# Altium PCB Iris.PcbDoc (part 13 of 13)
Units mm, origin at the board's own origin, x right, y up, seen from the top; angles counter-clockwise.
Board outline 100 x 72 mm, 6 copper layers (Top Layer, PowerPlane1, MidLayer1, MidLayer2, PowerPlane2, Bottom Layer), stack 1.561 mm thick; 396 components, 379 nets, 1616 pads, 658 vias.
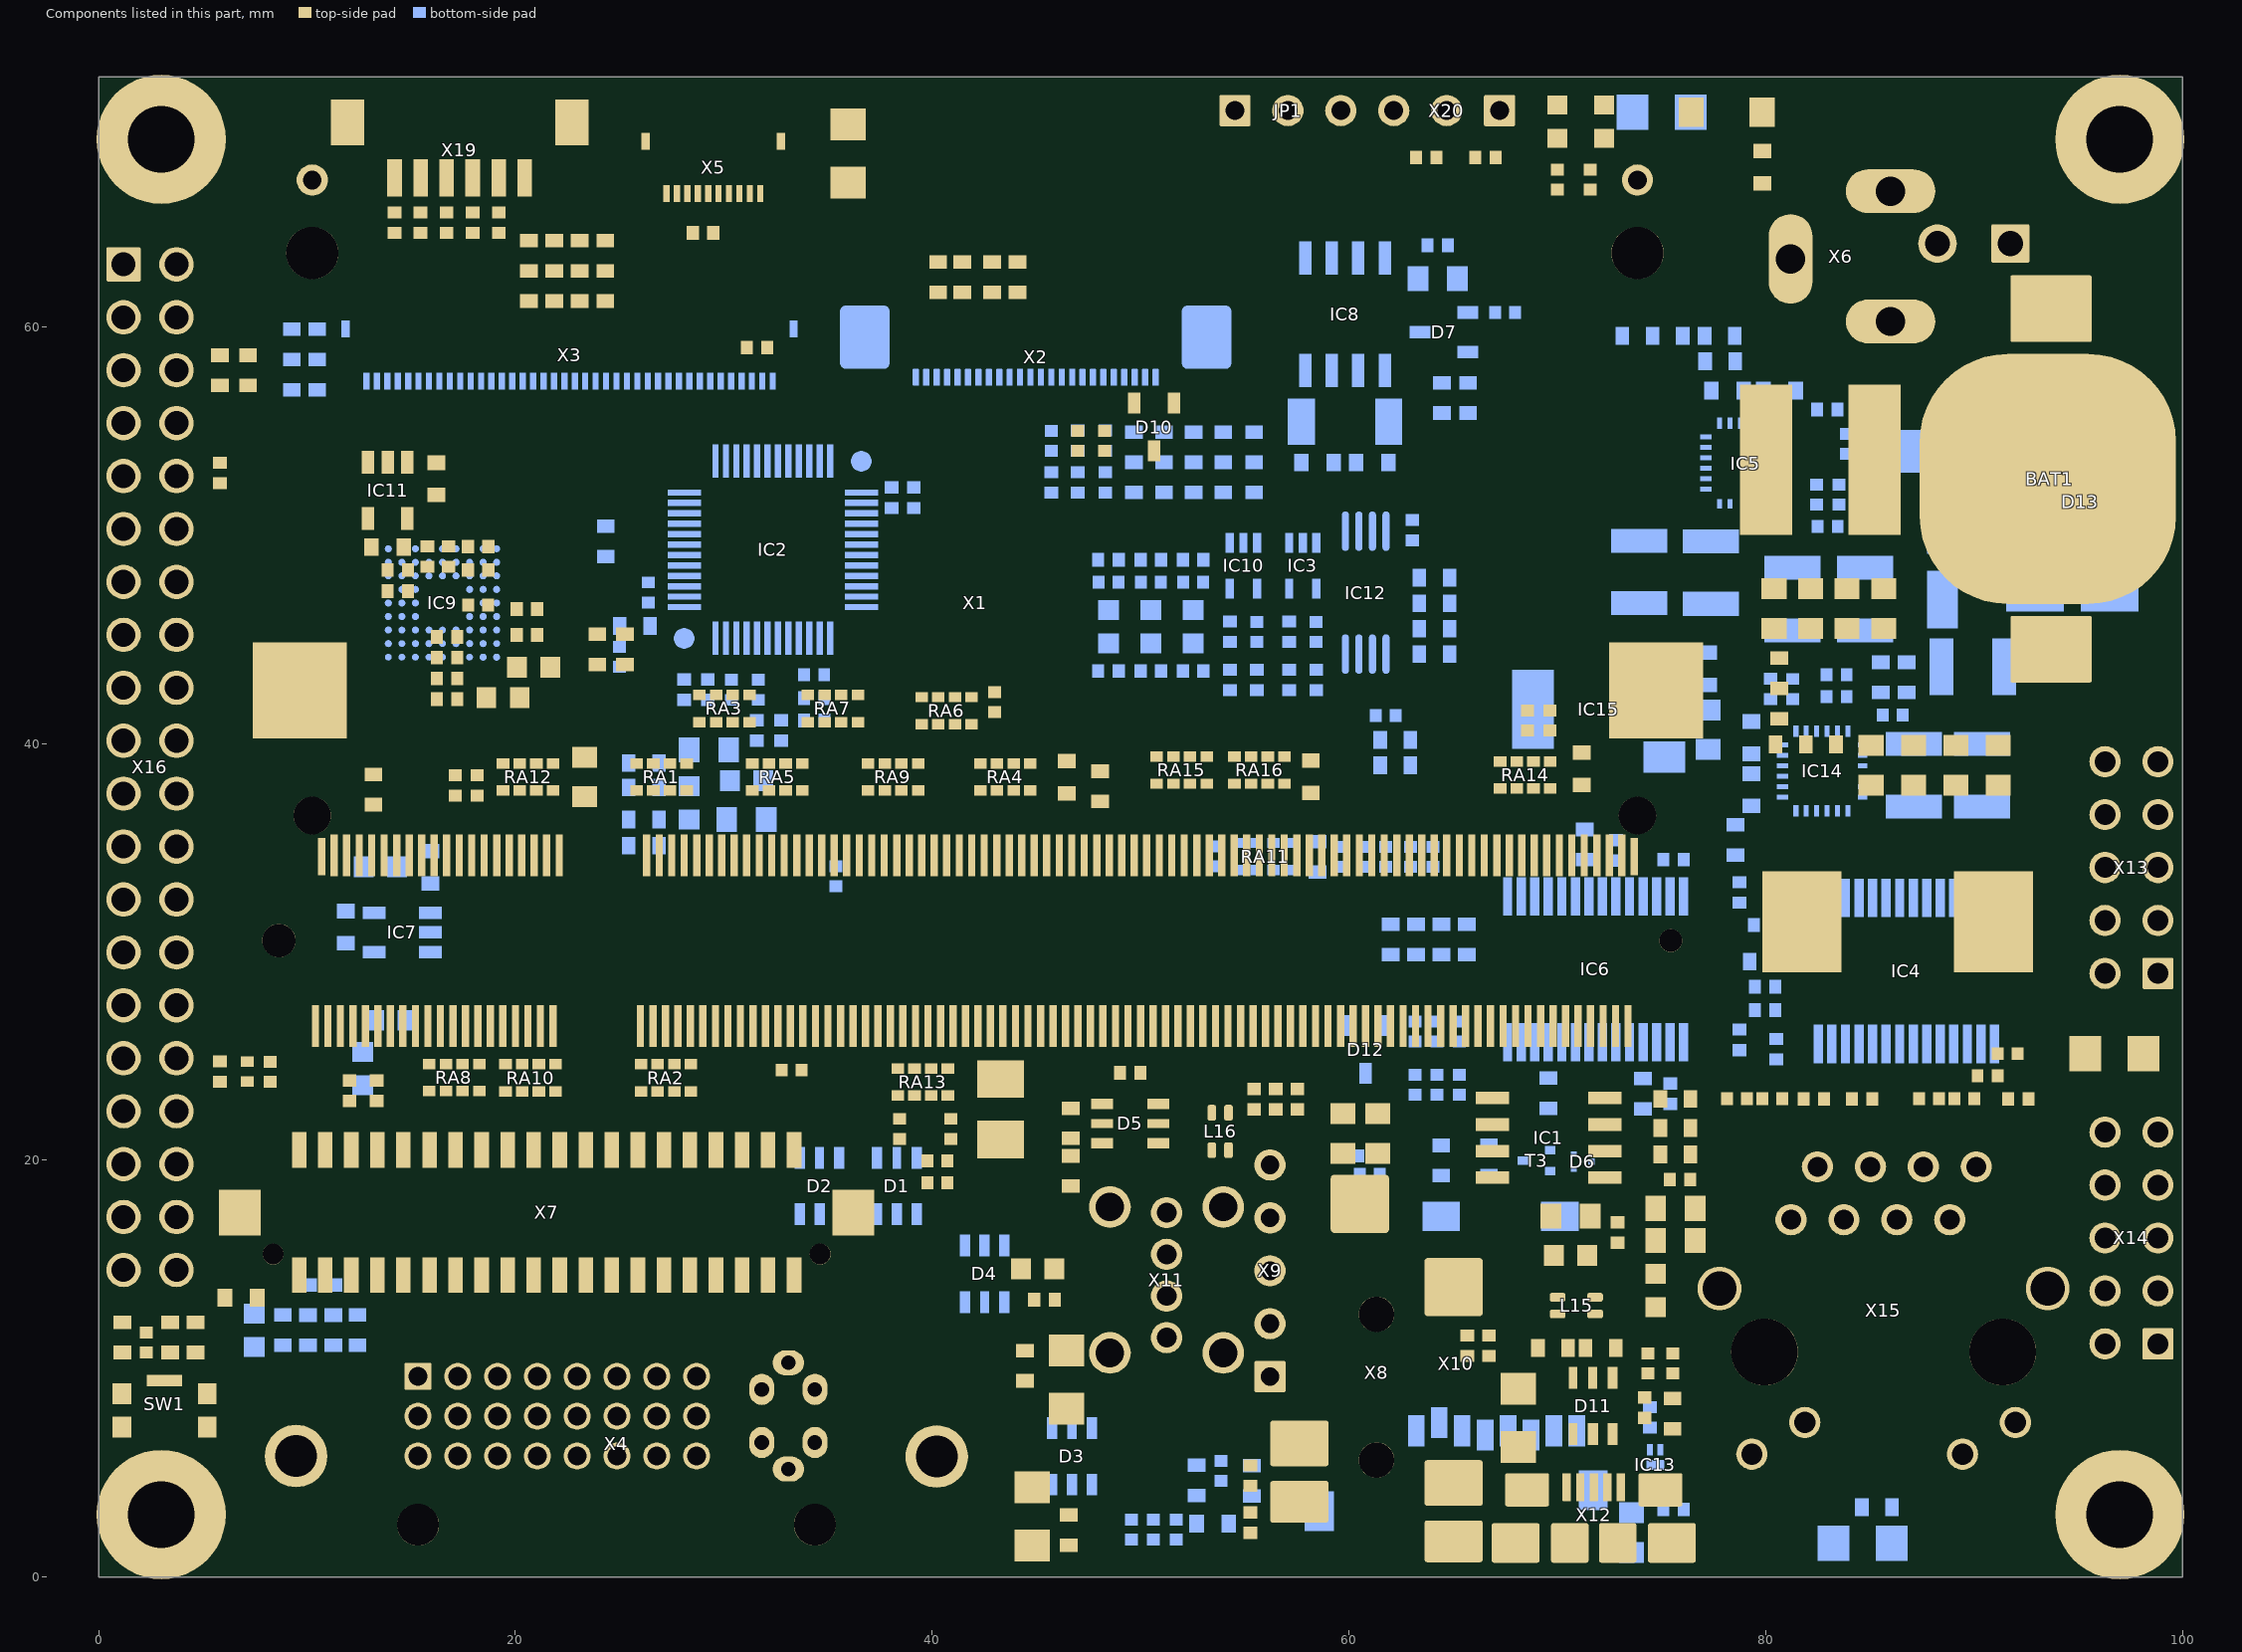
[diagram p17: the components of this part, seen from the top]

## Other copper (continued)
PowerPlane2 (plane layer: these items are gaps in the copper):
  pour cut-out: 76.179,57.616 76.395,57.573 76.578,57.451 76.701,57.268 76.744,57.051 76.744,54.385 76.701,54.168 76.578,53.985 76.395,53.863 76.179,53.82 74.706,53.82 74.49,53.863 74.306,53.985 74.184,54.168 74.141,54.385 74.141,57.051 74.184,57.268 74.306,57.451 74.49,57.573 74.706,57.616
  pour cut-out: 98.832,29.711 98.832,28.237 100,28.237 100,29.711
  pour cut-out: 98.832,11.931 98.832,10.457 100,10.457 100,11.931
  pour cut-out: 98.832,14.471 98.832,12.997 100,12.997 100,14.471
  pour cut-out: 98.832,17.011 98.832,15.537 100,15.537 100,17.011
  pour cut-out: 98.832,19.551 98.832,18.077 100,18.077 100,19.551
  pour cut-out: 98.832,32.251 98.832,30.777 100,30.777 100,32.251
  pour cut-out: 98.832,34.791 98.832,33.317 100,33.317 100,34.791
  pour cut-out: 98.832,37.331 98.832,35.857 100,35.857 100,37.331
  pour cut-out: 1.191,13.915 1.191,15.566 0.023,15.566 0.023,13.915
  pour cut-out: 1.191,16.455 1.191,18.106 0.023,18.106 0.023,16.455
  pour cut-out: 1.191,18.995 1.191,20.646 0.023,20.646 0.023,18.995
  pour cut-out: 1.191,21.535 1.191,23.186 0.023,23.186 0.023,21.535
  pour cut-out: 1.191,24.075 1.191,25.726 0.023,25.726 0.023,24.075
  pour cut-out: 1.191,26.615 1.191,28.266 0.023,28.266 0.023,26.615
  pour cut-out: 1.191,29.155 1.191,30.806 0.023,30.806 0.023,29.155
  pour cut-out: 1.191,31.695 1.191,33.346 0.023,33.346 0.023,31.695
  pour cut-out: 1.191,34.235 1.191,35.886 0.023,35.886 0.023,34.235
  pour cut-out: 1.191,39.315 1.191,40.966 0.023,40.966 0.023,39.315
  pour cut-out: 1.191,41.855 1.191,43.506 0.023,43.506 0.023,41.855
  pour cut-out: 1.191,44.395 1.191,46.046 0.023,46.046 0.023,44.395
  pour cut-out: 1.191,46.935 1.191,48.586 0.023,48.586 0.023,46.935
  pour cut-out: 1.191,49.475 1.191,51.126 0.023,51.126 0.023,49.475
  pour cut-out: 1.191,52.015 1.191,53.666 0.023,53.666 0.023,52.015
  pour cut-out: 1.191,57.095 1.191,58.746 0.023,58.746 0.023,57.095
  pour cut-out: 79.928,35.992 79.971,36.208 80.093,36.391 80.276,36.514 80.493,36.557 83.16,36.557 83.376,36.514 83.559,36.391 83.681,36.208 83.724,35.992 83.724,34.519 83.681,34.302 83.559,34.119 83.376,33.997 83.16,33.954 80.493,33.954 80.276,33.997 80.093,34.119 79.971,34.302 79.928,34.519
  pour cut-out: 59.131,36.373 59.715,35.916 60.096,36.576 59.665,36.906
  pour cut-out: 74.382,71.501 74.382,69.342 74.763,68.961 78.065,68.961 78.446,69.342 78.446,71.5
  pour cut-out: 81.763,42.24 81.585,41.605 82.321,41.453 82.575,42.24
  pour cut-out: 83.03,54.607 82.208,54.607 82.208,53.845 83.03,53.845
  pour cut-out: 51.994,36.297 52.784,36.297 52.784,37.059 51.994,37.059
  pour cut-out: 66.614,39.646 66.056,40.204 65.517,39.665 66.075,39.107
  pour cut-out: 77.064,36.601 76.835,36.83 76.835,38.76 77.064,38.989 78.207,38.989 78.435,38.76 78.435,36.83 78.207,36.601
  pour cut-out: 84.518,34.138 84.29,34.366 84.29,35.496 84.531,35.738 85.674,35.738 85.903,35.509 85.903,34.379 85.661,34.138
  pour cut-out: 96.063,6.045 95.758,5.944 95.453,5.791 95.148,5.613 94.92,5.436 94.717,5.258 94.513,5.029 94.361,4.826 94.234,4.623 94.132,4.42 94.005,4.14 93.904,3.835 93.904,-0.508 100.508,-0.508 100.508,6.147 96.545,6.147
  pour cut-out: 93.98,68.037 94.082,67.733 94.234,67.428 94.412,67.123 94.59,66.894 94.768,66.691 94.996,66.488 95.199,66.336 95.403,66.209 95.606,66.107 95.885,65.98 96.19,65.878 100.508,65.878 100.508,72.517 93.879,72.517 93.879,68.52
  pour cut-out: 6.071,3.937 5.969,4.242 5.817,4.547 5.639,4.852 5.461,5.08 5.283,5.283 5.055,5.487 4.851,5.639 4.648,5.766 4.445,5.868 4.166,5.995 3.633,6.172 -0.508,6.172 -0.508,-0.508 6.172,-0.508 6.172,3.455
  pour cut-out: 3.861,66.006 4.166,66.107 4.471,66.26 4.775,66.437 5.004,66.615 5.207,66.793 5.41,67.022 5.563,67.225 5.69,67.428 5.791,67.631 5.918,67.911 6.071,68.377 6.147,68.834 6.147,72.517 -0.508,72.517 -0.508,65.904 3.378,65.904
  pour cut-out: 18.15,13.792 17.35,13.792 17.35,13.03 18.15,13.03
  pour cut-out: 10.261,24.206 9.461,24.206 9.461,23.444 10.261,23.444
  pour cut-out: 7.357,19.964 6.557,19.964 6.557,19.202 7.357,19.202
  pour cut-out: 21.9,13.792 21.1,13.792 21.1,13.03 21.9,13.03
  pour cut-out: 25.65,13.792 24.85,13.792 24.85,13.03 25.65,13.03
  pour cut-out: 29.4,13.792 28.6,13.792 28.6,13.03 29.4,13.03
  pour cut-out: 33.15,13.792 32.35,13.792 32.35,13.03 33.15,13.03
  pour cut-out: 16.9,21.97 16.1,21.97 16.1,21.208 16.9,21.208
  pour cut-out: 20.65,21.97 19.85,21.97 19.85,21.208 20.65,21.208
  pour cut-out: 28.15,21.97 27.35,21.97 27.35,21.208 28.15,21.208
  pour cut-out: 31.9,21.97 31.1,21.97 31.1,21.208 31.9,21.208
  pour cut-out: 39.833,14.783 39.043,14.783 39.043,14.021 39.833,14.021
  pour cut-out: 29.452,11.881 28.894,11.322 29.433,10.784 29.991,11.342
  pour cut-out: 23.676,22.704 23.111,22.139 23.649,21.6 24.215,22.166
  pour cut-out: 11.922,22.039 11.129,22.039 11.129,21.277 11.922,21.277
  pour cut-out: 17.272,47.854 15.85,47.854 15.85,47.115 16.027,47.092 16.18,47.041 16.637,46.533 17.043,46.533 17.348,46.736 17.348,47.04 17.475,47.168 17.475,47.65
  pour cut-out: 32.385,55.702 32.893,55.194 32.36,54.661 32.309,54.661 31.775,55.194 32.283,55.702
  pour cut-out: 9.03,13.783 8.23,13.783 8.23,13.021 9.03,13.021
  pour cut-out: 9.473,7.82 9.081,7.781 8.704,7.667 8.356,7.481 8.052,7.231 7.802,6.927 7.616,6.579 7.502,6.202 7.463,5.81 7.502,5.418 7.616,5.041 7.802,4.693 8.052,4.389 8.356,4.139 8.704,3.953 9.081,3.839 9.473,3.8 9.865,3.839 10.242,3.953 10.589,4.139 10.894,4.389 11.144,4.693 11.33,5.041 11.444,5.418 11.483,5.81 11.444,6.202 11.33,6.579 11.144,6.927 10.894,7.231 10.589,7.481 10.242,7.667 9.865,7.781
  pour cut-out: 40.223,7.795 39.831,7.756 39.454,7.642 39.106,7.456 38.802,7.206 38.552,6.902 38.366,6.554 38.252,6.177 38.213,5.785 38.252,5.393 38.366,5.016 38.552,4.668 38.802,4.364 39.106,4.114 39.454,3.928 39.831,3.814 40.223,3.775 40.615,3.814 40.992,3.928 41.339,4.114 41.644,4.364 41.894,4.668 42.08,5.016 42.194,5.393 42.233,5.785 42.194,6.177 42.08,6.554 41.894,6.902 41.644,7.206 41.339,7.456 40.992,7.642 40.615,7.756
  pour cut-out: 46.94,10.76 46.97,10.449 47.061,10.15 47.208,9.875 47.406,9.634 47.647,9.436 47.923,9.288 48.222,9.198 48.532,9.167 48.843,9.198 49.142,9.288 49.415,9.435 49.659,9.634 49.857,9.875 50.004,10.15 50.094,10.449 50.125,10.76 50.094,11.071 50.004,11.37 49.857,11.645 49.659,11.886 49.417,12.084 49.142,12.232 48.843,12.322 48.532,12.353 48.222,12.322 47.923,12.232 47.647,12.084 47.406,11.886 47.208,11.645 47.061,11.37 46.97,11.071
  pour cut-out: 52.38,10.76 52.41,10.449 52.501,10.15 52.648,9.875 52.846,9.634 53.087,9.436 53.363,9.288 53.662,9.198 53.972,9.167 54.283,9.198 54.582,9.288 54.855,9.435 55.099,9.634 55.297,9.875 55.444,10.15 55.534,10.449 55.565,10.76 55.534,11.071 55.444,11.37 55.297,11.645 55.099,11.886 54.857,12.084 54.582,12.232 54.283,12.322 53.972,12.353 53.662,12.322 53.363,12.232 53.087,12.084 52.846,11.886 52.648,11.645 52.501,11.37 52.41,11.071
  pour cut-out: 90.111,20.857 89.809,20.817 89.528,20.701 89.286,20.515 89.1,20.273 88.984,19.992 88.944,19.69 88.984,19.388 89.1,19.107 89.286,18.865 89.528,18.679 89.809,18.563 90.111,18.523 90.413,18.563 90.694,18.679 90.936,18.865 91.122,19.107 91.238,19.388 91.277,19.687 91.238,19.992 91.122,20.273 90.939,20.511 90.694,20.701 90.413,20.817
  pour cut-out: 91.948,13.85 91.979,13.539 92.069,13.24 92.217,12.965 92.415,12.724 92.656,12.526 92.931,12.378 93.23,12.288 93.541,12.257 93.852,12.288 94.151,12.378 94.424,12.525 94.667,12.724 94.865,12.965 95.013,13.24 95.103,13.539 95.134,13.85 95.103,14.161 95.013,14.46 94.865,14.735 94.667,14.976 94.426,15.174 94.151,15.322 93.852,15.412 93.541,15.443 93.23,15.412 92.931,15.322 92.656,15.174 92.415,14.976 92.217,14.735 92.069,14.46 91.979,14.161
  pour cut-out: 76.198,13.85 76.229,13.539 76.319,13.24 76.467,12.965 76.665,12.724 76.906,12.526 77.181,12.378 77.48,12.288 77.791,12.257 78.102,12.288 78.401,12.378 78.674,12.525 78.917,12.724 79.115,12.965 79.263,13.24 79.353,13.539 79.384,13.85 79.353,14.161 79.263,14.46 79.115,14.735 78.917,14.976 78.676,15.174 78.401,15.322 78.102,15.412 77.791,15.443 77.48,15.412 77.181,15.322 76.906,15.174 76.665,14.976 76.467,14.735 76.319,14.46 76.229,14.161
  pour cut-out: 46.94,17.76 46.97,17.449 47.061,17.15 47.208,16.875 47.406,16.634 47.647,16.436 47.923,16.288 48.222,16.198 48.532,16.167 48.843,16.198 49.142,16.288 49.415,16.435 49.659,16.634 49.857,16.875 50.004,17.15 50.004,18.37 49.857,18.645 49.659,18.886 49.417,19.084 49.142,19.232 48.843,19.322 48.532,19.353 48.222,19.322 47.923,19.232 47.208,18.645 47.061,18.37 46.97,18.071
  pour cut-out: 34.798,71.501 34.798,70.815 35.458,70.155 36.551,70.155 37.135,70.739 37.135,71.501
  pour cut-out: 36.271,71.45 36.373,71.474 36.477,71.482 36.581,71.474 36.683,71.45 36.78,71.41 36.869,71.355 36.949,71.287 37.017,71.207 37.072,71.118 37.112,71.021 37.136,70.92 37.144,70.815 37.136,70.711 37.112,70.609 37.072,70.512 37.017,70.423 36.949,70.343 36.869,70.275 36.78,70.221 36.683,70.181 36.581,70.156 36.477,70.148 36.373,70.156 36.274,70.18 36.174,70.221 36.085,70.275 36.005,70.343 35.937,70.423 35.882,70.512 35.842,70.609 35.818,70.711 35.81,70.815 35.818,70.92 35.842,71.021 35.882,71.118 35.937,71.207 36.005,71.287 36.085,71.355 36.174,71.41
  pour cut-out: 35.252,71.45 35.354,71.474 35.458,71.482 35.563,71.474 35.665,71.45 35.761,71.41 35.851,71.355 35.93,71.287 35.998,71.207 36.053,71.118 36.093,71.021 36.117,70.92 36.126,70.815 36.117,70.711 36.093,70.609 36.053,70.512 35.998,70.423 35.93,70.343 35.851,70.275 35.761,70.221 35.665,70.181 35.563,70.156 35.458,70.148 35.354,70.156 35.256,70.18 35.155,70.221 35.066,70.275 34.987,70.343 34.919,70.423 34.864,70.512 34.824,70.609 34.799,70.711 34.791,70.815 34.799,70.92 34.824,71.021 34.864,71.118 34.919,71.207 34.987,71.287 35.066,71.355 35.155,71.41
  pour cut-out: 56.21,17.932 55.524,18.186 55.444,18.37 55.297,18.645 55.099,18.886 54.857,19.084 54.582,19.232 54.283,19.322 53.972,19.353 53.662,19.322 53.363,19.232 53.089,19.085 52.846,18.886 52.648,18.645 52.501,18.37 52.501,17.15 52.648,16.875 52.846,16.634 53.087,16.436 53.363,16.288 53.662,16.198 53.972,16.167 54.283,16.198 54.582,16.288 54.857,16.436 55.099,16.634 55.22,16.739 55.829,16.662 56.213,17.24
  pour cut-out: 94.779,26.568 94.779,25.578 94.771,25.473 94.747,25.372 94.707,25.275 94.652,25.186 94.584,25.106 94.504,25.038 94.415,24.983 94.318,24.943 94.216,24.919 94.112,24.911 94.008,24.919 93.909,24.942 93.809,24.983 93.72,25.038 93.64,25.106 93.572,25.186 93.518,25.275 93.477,25.372 93.453,25.473 93.445,25.578 93.445,26.568 93.453,26.673 93.477,26.775 93.518,26.871 93.572,26.961 93.64,27.04 93.72,27.108 93.809,27.163 93.906,27.203 94.008,27.227 94.112,27.236 94.216,27.227 94.318,27.203 94.415,27.163 94.504,27.108 94.584,27.04 94.652,26.961 94.707,26.871 94.747,26.775 94.771,26.673
  pour cut-out: 77.874,2.275 77.976,2.299 78.081,2.307 78.185,2.299 78.287,2.275 78.383,2.235 78.473,2.18 78.552,2.112 78.62,2.032 78.675,1.943 78.715,1.846 78.74,1.744 78.748,1.64 78.74,1.536 78.715,1.434 78.675,1.337 78.62,1.248 78.552,1.168 78.473,1.1 78.383,1.045 78.287,1.005 78.185,0.981 78.081,0.973 77.976,0.981 77.878,1.005 77.778,1.045 77.688,1.1 77.609,1.168 77.541,1.248 77.486,1.337 77.446,1.434 77.421,1.536 77.413,1.64 77.421,1.744 77.446,1.846 77.486,1.943 77.541,2.032 77.609,2.112 77.688,2.18 77.778,2.235
  pour cut-out: 86.671,0.203 86.671,2.032 86.679,2.136 86.704,2.238 86.744,2.335 86.799,2.424 86.867,2.504 86.946,2.572 87.035,2.627 87.132,2.667 87.234,2.691 87.338,2.699 87.443,2.691 87.541,2.668 87.641,2.627 87.731,2.572 87.81,2.504 87.878,2.424 87.933,2.335 87.973,2.238 87.997,2.136 88.006,2.032 88.006,0.203

## Silkscreen, mask and mechanical layers (free items; w line width, h text height)
Top Overlay:
  lines w0.2: 6.077,7.676 6.077,8.376 ; 38.676,11.868 39.576,11.868 ; 73.868,45.496 74.447,45.496 ; 75.383,45.496 75.75,45.496
  text "RES." at 6.998,69.977 h1
  text "CAP. TOUCH" at 24.663,69.977 h1
  text "TOUCH" at 6.248,68.529 h1
  text "POWER" at 62.408,64.44 h1
  text "5V" at 70.485,64.211 h1 r90
  text "OUTPUT" at 61.908,62.84 h1
  text "3.3V" at 72.263,62.382 h1 r90
  text "COLIBRI MODULE" at 35.485,43.942 h1
  text "UART-A" at 94.615,31.064 h1 r90
  text "ETHERNET" at 79.908,23.825 h1
  text "40" at 9.092,21.539 h0.75
  text "2" at 33.096,21.539 h0.75
  text "USB" at 43.713,17.145 h1
  text "LVDS" at 37.871,16.027 h1
  text "HOST" at 43.713,15.748 h1
  text "39" at 8.991,12.344 h0.75
  text "1" at 33.299,12.344 h0.75
Bottom Overlay:
  circle w0.5: c84.099,69.536 r0.511
  circle w0.5: c84.099,69.536 r0.229
  lines w0.2: 81.369,68.52 82.309,68.52 ; 81.839,68.05 81.839,68.99 ; 86.258,68.52 87.198,68.52 ; 92.508,24.471 93.021,23.261 ; 93.011,58.089 93.011,57.884 93.093,57.802
  lines w0.4: 81.788,69.536 83.464,69.536 ; 83.06,68.737 ccw(c84.093,69.53) 83.066,70.331 ; 85.395,69.536 87.02,69.536
  text "3.3V" at 62.654,69.299 h1 r90
  text "GND" at 65.194,69.299 h1 r90
  text "5.0V" at 67.734,69.299 h1 r90
  text "6-27 V" at 88.29,65.828 h1.78 r270
  text "GND" at 90.726,65.828 h1.78 r270
  text "COLIBRI HDMI" at 50.47,64.897 h1
  text "UNIFIED INTERFACE" at 30.681,62.459 h1
  text "BATTERY TYPE:" at 99.06,61.57 h1
  text "DISPLAY" at 25.849,60.833 h1
  text "CR1216" at 99.035,59.879 h1
  text "BR1220.BR1225" at 99.009,58.09 h1
  text "UART-B C" at 99.162,23.368 h1
  text "DVI-I" at 26.931,1.245 h1
  text "MICRO SD CARD" at 72.669,0.737 h1
Top Solder:
  text "Iris Rev. 2.0" at 38.224,66.844 h2.75
Bottom Solder:
  text "Iris Rev. 2.0" at 51.661,66.844 h2.75
Mechanical 13:
  circle w0.01: c10.25,63.546 r3.2
  circle w0.01: c73.85,63.546 r3.2
  circle w0.1: c40.223,5.785 r5
  circle w0.1: c48.532,10.76 r5
  circle w0.1: c48.532,17.76 r5
Mechanical 10 (Mech15):
  the board outline again, w0.254

## Text inside footprints (layer, text, board x,y; h text height)
X2: Bottom Overlay "1" at 38.7,55.7 h1; Bottom Overlay "24" at 52.6,55.7 h1
X3: Bottom Overlay "1" at 33.1,55.9 h1; Bottom Overlay "40" at 12.8,55.9 h1
X5: Top Overlay "1" at 26.619,64.948 h0.75; Top Overlay "10" at 31.801,64.948 h0.75
X13: Top Overlay "2" at 96.776,26.524 h1 r90; Top Overlay "1" at 99.431,26.837 h1 r90
X14: Top Overlay "2" at 96.776,8.697 h1 r90; Top Overlay "1" at 99.431,9.021 h1 r90
X16: Top Overlay "1" at 1.041,64.668 h1; Top Overlay "2" at 3.404,64.668 h1